# Altium PCB STM32最小系统.PcbDoc (part 1 of 4)
Units mil, origin at the board's own origin, x right, y up, seen from the top; angles counter-clockwise.
Board outline 25145 x 22655 mil, 2 copper layers (Top Layer, Bottom Layer); 72 components, 145 nets, 556 pads, 0 vias.
Unrouted connection lines stored in the file: 8.
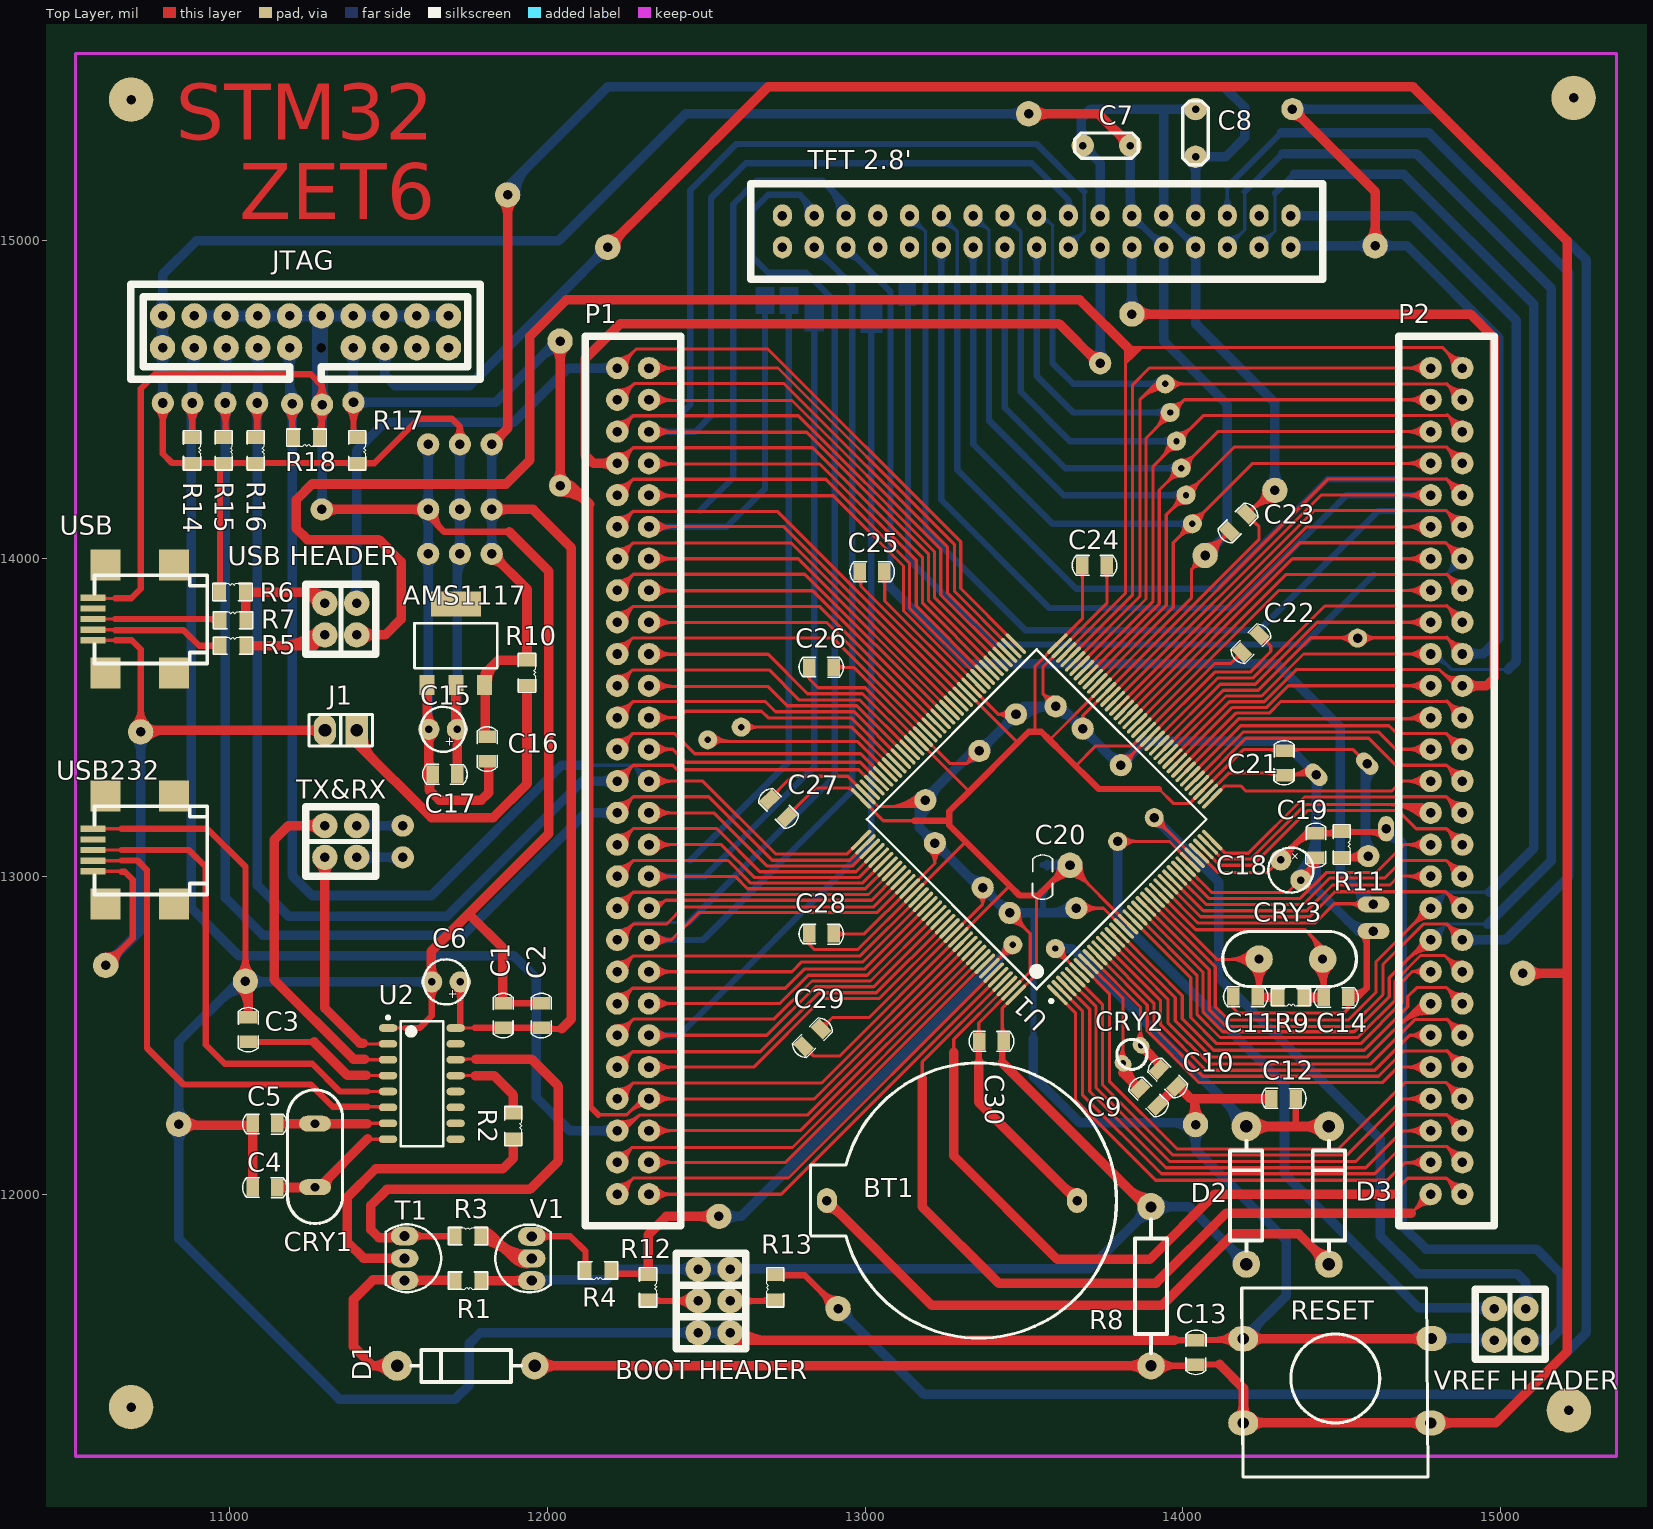
[diagram p0: Top Layer view]
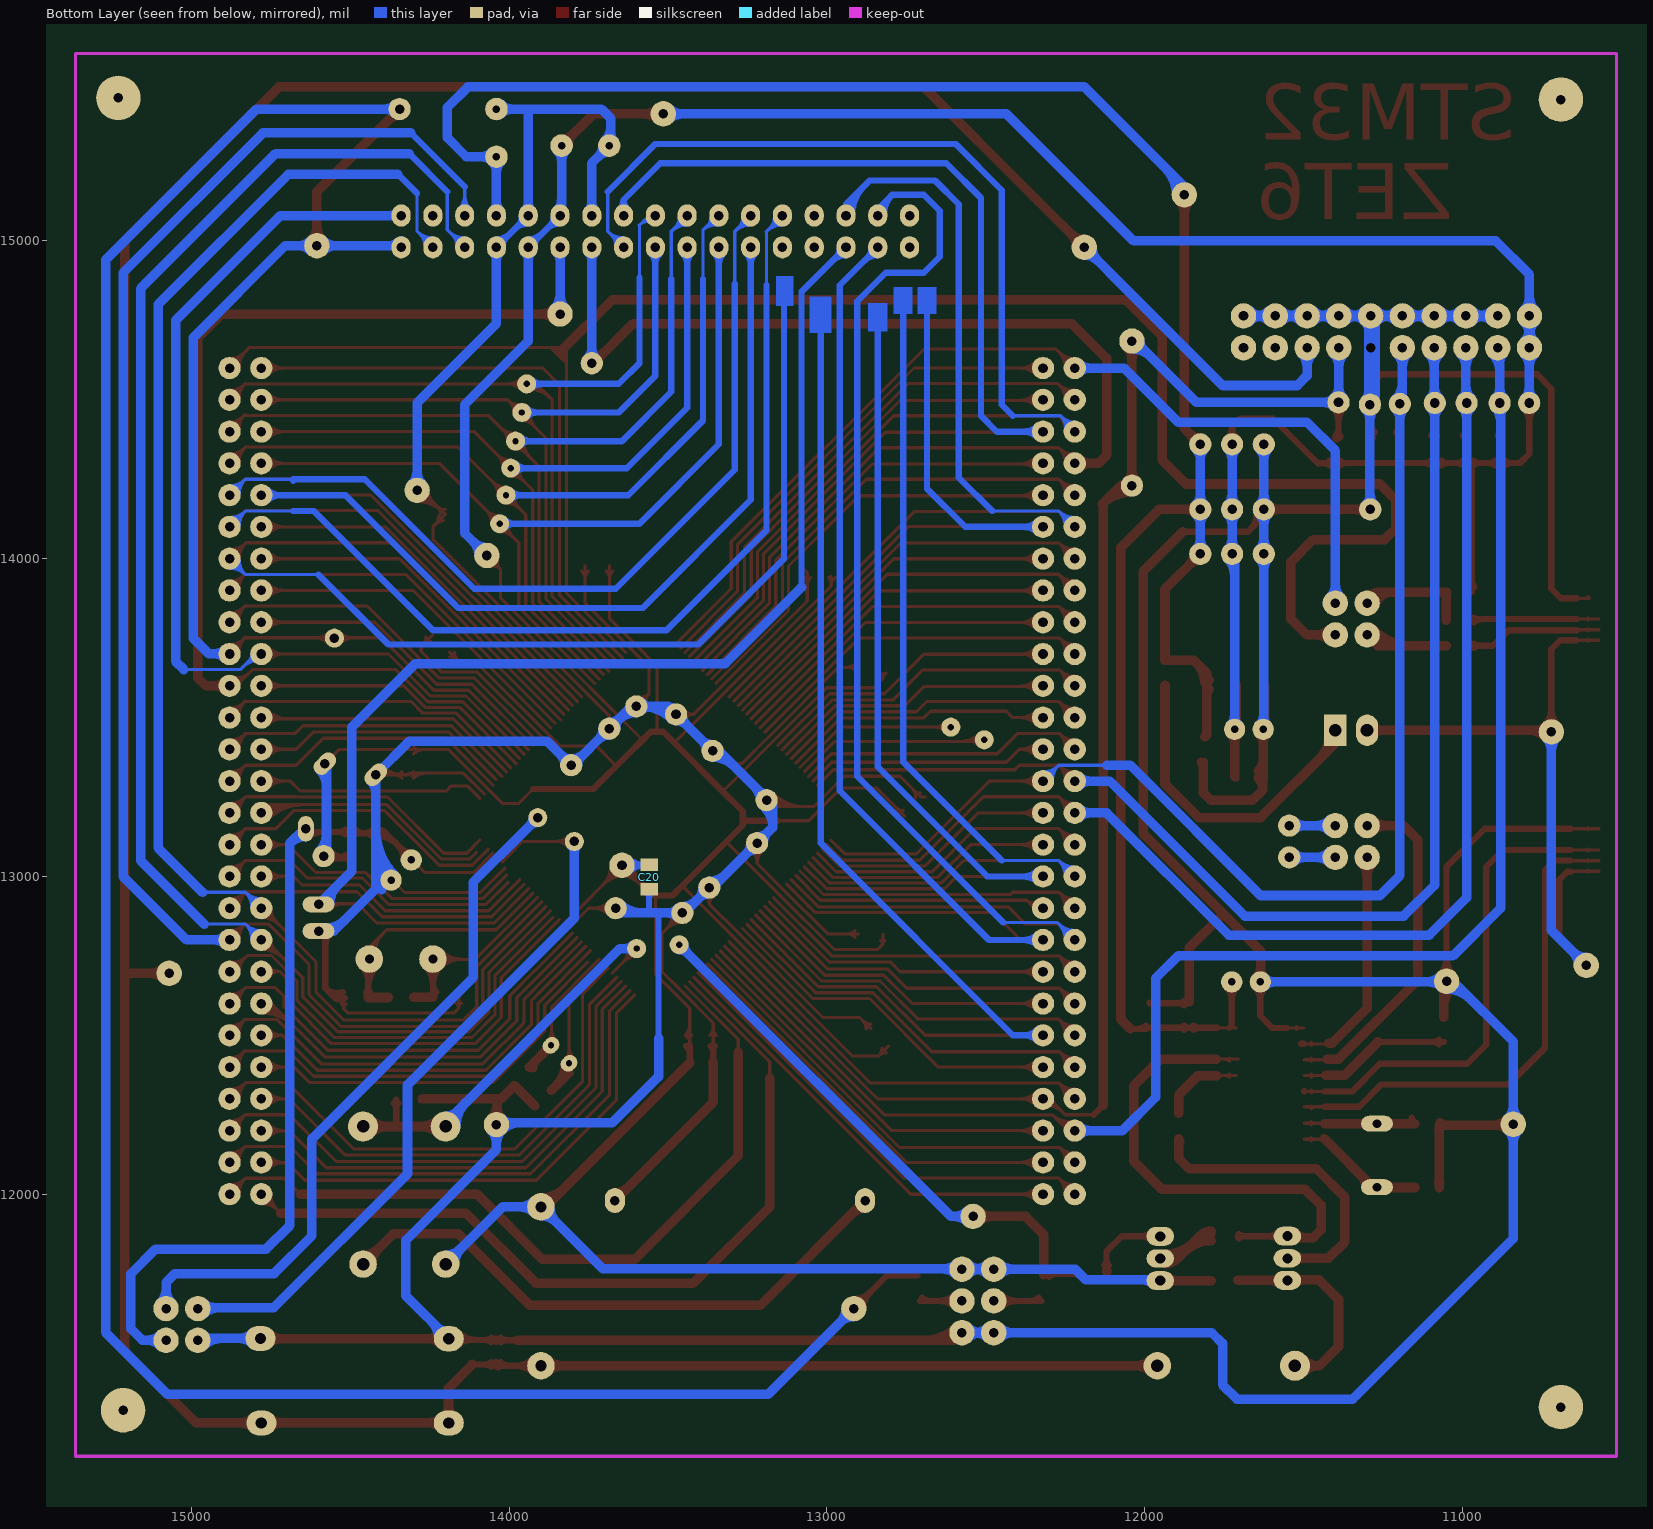
[diagram p1: Bottom Layer view, seen from below]

## Layer stack, top to bottom
Top Layer: signal copper 1.4
Dielectric: dielectric 12.6, FR-4, Dk 4.8
Bottom Layer: signal copper 1.4

## Board outline
1970,920 1925,965 1925,23485 26985,23485 27070,23400 27070,830 2010,830

## Design rules (kind name [scope] priority, off if disabled: settings)
Clearance [All] p1 off: gap=10
ComponentClearance [All] p1 off: gap=10 collisioncheckmode=3 verticalgap=10 showdistances=FALSE
HoleSize [All] p1 off: absolutevalues=TRUE maxlimit=100 minlimit=1 maxpercent=80.000 minpercent=20.000
HoleToHoleClearance [All] p1 off: gap=10 allowstackedmicrovias=TRUE
LayerPairs [All] p1 off: enforce=TRUE
MinimumSolderMaskSliver [All] p1 off: minsoldermaskwidth=10
NetAntennae [All] p1 off: netantennaetolerance=0
PolygonConnect [All] p1: connectstyle=Relief reliefconductorwidth=10 reliefentries=4 polygonreliefangle="90 Angle"
RoutingVias [All] p1: holewidth=28 width=50 viastyle="Through Hole" minholewidth=28 minwidth=50 maxholewidth=28 maxwidth=50
SilkToSilkClearance [All] p1 off: silktosilkclearance=10
SilkscreenOverComponentPads [All] p1 off: minsilkscreentomaskgap=10
SolderMaskExpansion [All] p1: expansion=4
Width [All] p1: maxlimit=100 minlimit=5 preferedwidth=10
20 further rules are at their usual default settings.

## Components (designator, comment, footprint, x,y, rotation, side; value= is the part's Value field where it differs from the comment)
AMS1117 "3.3V" SOT-223 11712,13603 r0 top
"BOOT HEADER" "HEADER 3X2" 3X2DIP 12475,11764 r270 top
BT1 "BATTERY" POWER1 12880,11980 r0 top
C1 "104" C0805#1 11860,12600 r270 top
C2 "10pF" C0805#1 11980,12600 r270 top
C3 "104" C0805#1 11060,12480 r90 top
C4 "22" C0805#1 11149,12022 r180 top
C5 "22" C0805#1 11149,12222 r180 top
C6 "10uF" CAO1 11681,12668 r180 top
C7 "104" CAP1 13760,15300 r0 top
C8 "104" CAP1 14040,15340 r270 top
C9 "10" C0805#1 13920,12280 r135 top
C10 "10" C0805#1 13980,12340 r135 top
C11 "22" C0805#1 14160,12620 r0 top
C12 "104" C0805#1 14280,12300 r0 top
C13 "104" C0805#1 14040,11540 r270 top
C14 "22" C0805#1 14520,12620 r180 top
C15 "220uF" CAO1 11672,13463 r180 top
C16 "104" C0805#1 11812,13363 r90 top
C17 "104" C0805#1 11640,13320 r0 top
C18 "10uF" CAO1 14340,13020 r315 top
C19 "104" C0805#1 14420,13060 r90 top
C20 "104" C0805#2 13560,12960 r90 top
C21 "104" C0805#1 14320,13320 r90 top
C22 "104" C0805#1 14240,13760 r225 top
C23 "104" C0805#1 14200,14140 r225 top
C24 "104" C0805#1 13760,13980 r180 top
C25 "104" C0805#1 13060,13960 r180 top
C26 "104" C0805#1 12900,13660 r180 top
C27 "104" C0805#1 12700,13240 r315 top
C28 "104" C0805#1 12900,12820 r180 top
C29 "104" C0805#1 12860,12520 r225 top
C30 "104" C0805#1 13360,12480 r0 top
CRY1 "12M" JZ1#1 11269,12122 r90 top
CRY2 "32.768k" JZ_O1 13840,12440 r45 top
CRY3 "8M" JZ1#2 14340,12740 r0 top
D1 "1N4148" DIODE0.4 11960,11460 r180 top
D2 "1N4148" DIODE0.4 14200,11780 r90 top
D3 "1N4148" DIODE0.4 14460,11780 r90 top
J1 "CON2" sip-2 11400,13460 r180 top
JTAG "JTAG" 10x2DIP 10789,14664 r0 top
P1 "HEADER 27X2" 27X2DIP 12320,12000 r90 top
P2 "HEADER 27X2" 27X2DIP 14880,12000 r90 top
R1 "10k" R0805 11791,11728 r180 top
R2 "1k" R0805 11893,12254 r270 top
R3 "1k" R0805 11711,11868 r0 top
R4 "1k" R0805 12200,11760 r180 top
R5 "10R" R0805 10971,13726 r0 top
R6 "10R" R0805 10969,13895 r0 top
R7 "10R" R0805 10971,13806 r0 top
R8 "RES" AXIAL0.5 13900,11460 r90 top
R9 "1M" R0805 14380,12620 r180 top
R10 "RES" R0805 11936,13681 r270 top
R11 "RES" R0805 14500,13140 r270 top
R12 "RES" R0805 12317,11747 r270 top
R13 "RES" R0805 12717,11667 r90 top
R14 "10K" R0805 10882,14381 r270 top
R15 "10K" R0805 10982,14381 r270 top
R16 "10K" R0805 11082,14381 r270 top
R17 "10K" R0805 11402,14381 r270 top
R18 "10K" R0805 11282,14381 r180 top
RESET "SW-PB" "按键 15mm*15mm" 14780,11280 r180 top
T1 "8050" TO-92 11551,11868 r270 top
"TFT 2.8'" "HEADER 17X2" 17X2DIP 12740,14980 r0 top
TX&RX "HEADER 2X2" 2X2DIP 11400,13060 r90 top
U1 "STM32F103ZET6" LQFN144 13540,13180 r135 top
U2 "CH340G" SOP16 11605,12348 r0 top
USB "" USB_mini_B 10590,13810 r90 top
USB232 "" USB_mini_B 10590,13083 r90 top
"USB HEADER" "" 2X2DIP 11400,13860 r180 top
V1 "8550" TO-92 11951,11728 r90 top
"VREF HEADER" "HEADER 2X2" 2X2DIP 15080,11640 r180 top

## Footprints (in the part's own frame and the unit in brackets; to place one, negate y for a bottom-side part, rotate by r counter-clockwise, add the part's x,y. Pads: shape width x height; smd on the part's side, far side on the other; paste and mask are expansions set on the pad)
2X2DIP [mil]
  round 80 hole 30 unplated: 1(0,0) 2(0,100) 4(100,100)
  round 80 hole 30: 3(100,0)
  silkscreen extent -60,-60 160,160
3X2DIP [mil]
  round 80 hole 30 unplated: 1(0,0) 2(0,100) 3(100,0) 4(100,100) 5(200,0) 6(200,100)
  silkscreen extent -50,-70 250,150
10x2DIP [mil]
  round 80 hole 30: 1(0,0) 2(0,100) 3(100,0) 4(100,100) 5(200,0) 6(200,100) 7(300,0) 8(300,100) 9(400,0) 10(400,100) 12(500,100) 13(600,0) 14(600,100) 15(700,0) 16(700,100) 17(800,0) 18(800,100) 19(900,0) 20(900,100)
  round 0 hole 30: 11(500,0)
  silkscreen extent -100,-100 1000,200
17X2DIP [mil]
  oval 60x70 hole 30 unplated: 1(0,0) 2(0,100) 3(100,0) 4(100,100) 5(200,0) 6(200,100) 7(300,0) 8(300,100) 9(400,0) 10(400,100) 11(500,0) 12(500,100) 13(600,0) 14(600,100) 15(700,0) 16(700,100) 17(800,0) 18(800,100) 19(900,0) 20(900,100) 21(1000,0) 22(1000,100) 23(1100,0) 24(1100,100) 25(1200,0) 26(1200,100) 27(1300,0) 28(1300,100) 29(1400,0) 30(1400,100) 31(1500,0) 32(1500,100) 33(1600,0) 34(1600,100)
  silkscreen extent -100,-100 1700,200
27X2DIP [mil]
  round 70 hole 30 unplated: 1(0,0) 2(0,100) 3(100,0) 4(100,100) 5(200,0) 6(200,100) 7(300,0) 8(300,100) 9(400,0) 10(400,100) 11(500,0) 12(500,100) 13(600,0) 14(600,100) 15(700,0) 16(700,100) 17(800,0) 18(800,100) 19(900,0) 20(900,100) 21(1000,0) 22(1000,100) 23(1100,0) 24(1100,100) 25(1200,0) 26(1200,100) 27(1300,0) 28(1300,100) 29(1400,0) 30(1400,100) 31(1500,0) 32(1500,100) 33(1600,0) 34(1600,100) 35(1700,0) 36(1700,100) 37(1800,0) 38(1800,100) 39(1900,0) 40(1900,100) 41(2000,0) 42(2000,100) 43(2100,0) 44(2100,100) 45(2200,0) 46(2200,100) 47(2300,0) 48(2300,100) 49(2400,0) 50(2400,100) 51(2500,0) 52(2500,100) 53(2600,0) 54(2600,100)
  silkscreen extent -100,-100 2700,200
AXIAL0.5 [mm]
  round 2.2 hole 0.9: 1(0,0) 2(12.7,0)
  silkscreen extent 1.02,-1.27 11.68,1.27
C0805#1 [mm]
  rect 1x1.4 smd: 1(-0.025,0.025) 2(1.933,0.025)
  silkscreen extent -0.81,-0.76 2.74,0.84
C0805#2 [mm]
  rect 1x1.4 smd far side: 1(-0.025,0.025) 2(1.933,0.025)
  silkscreen extent -0.81,-0.76 2.74,0.84
CAO1 [mm]
  round 1.7 hole 0.6: 1(-1.143,0) 2(1.143,0)
  silkscreen extent -1.8,-1.8 1.8,1.8
CAP1 [mm]
  round 1.8 hole 0.6: 1(-1.905,0) 2(1.905,0)
  silkscreen extent -2.54,-1.02 2.54,1.02
DIODE0.4 [mm]
  round 2.2 hole 1: 1(0,0)
  round 2.4 hole 1 unplated: 2(10.998,0)
  silkscreen extent 1.09,-1.27 9.86,1.3
JZ1#1 [mm]
  oval 1.27x2.54 hole 0.7: 1(-2.54,0) 2(2.54,0)
  silkscreen extent -5.45,-2.2 5.25,2.2
JZ1#2 [mm]
  round 2.2 hole 0.7: 1(-2.54,0) 2(2.54,0)
  silkscreen extent -5.45,-2.2 5.25,2.2
JZ_O1 [mm]
  oval 1.2x1.4 hole 0.5: 1(-1.016,0) 2(1.016,0)
  silkscreen extent -1.2,-1.2 1.2,1.2
LQFN144 [mm] "TSQFP, 144-Leads, Body 23.8x23.8mm (max), Pitch 0.50mm, IPC Medium Density"
  oval 2.2x0.3 smd: 1(-11.1,8.75) 2(-11.1,8.25) 3(-11.1,7.75) 4(-11.1,7.25) 5(-11.1,6.75) 6(-11.1,6.25) 7(-11.1,5.75) 8(-11.1,5.25) 9(-11.1,4.75) 10(-11.1,4.25) 11(-11.1,3.75) 12(-11.1,3.25) 13(-11.1,2.75) 14(-11.1,2.25) 15(-11.1,1.75) 16(-11.1,1.25) 17(-11.1,0.75) 18(-11.1,0.25) 19(-11.1,-0.25) 20(-11.1,-0.75) 21(-11.1,-1.25) 22(-11.1,-1.75) 23(-11.1,-2.25) 24(-11.1,-2.75) 25(-11.1,-3.25) 26(-11.1,-3.75) 27(-11.1,-4.25) 28(-11.1,-4.75) 29(-11.1,-5.25) 30(-11.1,-5.75) 31(-11.1,-6.25) 32(-11.1,-6.75) 33(-11.1,-7.25) 34(-11.1,-7.75) 35(-11.1,-8.25) 36(-11.1,-8.75) 73(11.1,-8.75) 74(11.1,-8.25) 75(11.1,-7.75) 76(11.1,-7.25) 77(11.1,-6.75) 78(11.1,-6.25) 79(11.1,-5.75) 80(11.1,-5.25) 81(11.1,-4.75) 82(11.1,-4.25) 83(11.1,-3.75) 84(11.1,-3.25) 85(11.1,-2.75) 86(11.1,-2.25) 87(11.1,-1.75) 88(11.1,-1.25) 89(11.1,-0.75) 90(11.1,-0.25) 91(11.1,0.25) 92(11.1,0.75) 93(11.1,1.25) 94(11.1,1.75) 95(11.1,2.25) 96(11.1,2.75) 97(11.1,3.25) 98(11.1,3.75) 99(11.1,4.25) 100(11.1,4.75) 101(11.1,5.25) 102(11.1,5.75) 103(11.1,6.25) 104(11.1,6.75) 105(11.1,7.25) 106(11.1,7.75) 107(11.1,8.25) 108(11.1,8.75)
  oval 0.3x2.2 smd: 37(-8.75,-11.1) 38(-8.25,-11.1) 39(-7.75,-11.1) 40(-7.25,-11.1) 41(-6.75,-11.1) 42(-6.25,-11.1) 43(-5.75,-11.1) 44(-5.25,-11.1) 45(-4.75,-11.1) 46(-4.25,-11.1) 47(-3.75,-11.1) 48(-3.25,-11.1) 49(-2.75,-11.1) 50(-2.25,-11.1) 51(-1.75,-11.1) 52(-1.25,-11.1) 53(-0.75,-11.1) 54(-0.25,-11.1) 55(0.25,-11.1) 56(0.75,-11.1) 57(1.25,-11.1) 58(1.75,-11.1) 59(2.25,-11.1) 60(2.75,-11.1) 61(3.25,-11.1) 62(3.75,-11.1) 63(4.25,-11.1) 64(4.75,-11.1) 65(5.25,-11.1) 66(5.75,-11.1) 67(6.25,-11.1) 68(6.75,-11.1) 69(7.25,-11.1) 70(7.75,-11.1) 71(8.25,-11.1) 72(8.75,-11.1) 109(8.75,11.1) 110(8.25,11.1) 111(7.75,11.1) 112(7.25,11.1) 113(6.75,11.1) 114(6.25,11.1) 115(5.75,11.1) 116(5.25,11.1) 117(4.75,11.1) 118(4.25,11.1) 119(3.75,11.1) 120(3.25,11.1) 121(2.75,11.1) 122(2.25,11.1) 123(1.75,11.1) 124(1.25,11.1) 125(0.75,11.1) 126(0.25,11.1) 127(-0.25,11.1) 128(-0.75,11.1) 129(-1.25,11.1) 130(-1.75,11.1) 131(-2.25,11.1) 132(-2.75,11.1) 133(-3.25,11.1) 134(-3.75,11.1) 135(-4.25,11.1) 136(-4.75,11.1) 137(-5.25,11.1) 138(-5.75,11.1) 139(-6.25,11.1) 140(-6.75,11.1) 141(-7.25,11.1) 142(-7.75,11.1) 143(-8.25,11.1) 144(-8.75,11.1)
  silkscreen extent -11.22,-9.6 9.6,9.6, body extent -10,-10 10,10, height 1.6
POWER1 [mm]
  oval 1.6x2 hole 0.762: 1(0,0) 2(20,0)
  silkscreen extent -1.32,-11 23.15,11
R0805 [mm]
  rect 1x1.5 smd: 1(0,0) 2(2.032,0)
  silkscreen extent -0.56,-0.69 2.59,0.69
sip-2 [mil]
  rect 70x100 hole 40: 1(0,0)
  oval 70x98.42 hole 40: 2(100,0)
  silkscreen extent -50,-50 150,50
SOP16 [mil] "TSOP, 16-Leads, Body 10.2x3.6mm (max), Pitch 1.27mm, IPC Medium Density"
  oval 58x24 smd: 1(-106.3,175) 2(-106.3,125) 3(-106.3,75) 4(-106.3,25) 5(-106.3,-25) 6(-106.3,-75) 7(-106.3,-125) 8(-106.3,-175) 9(106.3,-175) 10(106.3,-125) 11(106.3,-75) 12(106.3,-25) 13(106.3,25) 14(106.3,75) 15(106.3,125) 16(106.3,175)
  silkscreen extent -111,-197 67,213, body extent -71,-201 71,201, height 39
SOT-223 [mm]
  rect 1.2x1.6 smd: 1(-2.3,0) 2(0,0) 3(2.3,0)
  rect 4x2 smd: 4(0,6.477)
  silkscreen extent -3.3,1.32 3.3,4.93
TO-92 [mm]
  oval 1.5x2.2 hole 0.8: 1(0,0)
  oval 1.45x2.2 hole 0.8: 2(1.77,0)
  oval 1.52x2.2 hole 0.8: 3(3.54,0)
  silkscreen extent -0.94,-1.52 4.48,2.91
USB_mini_B [mm] "mini USB ĸͷ"
  rect 2.5x2.4 smd: 0(-4.318,-0.508) 0(-4.318,-5.969) 0(4.318,-0.508) 0(4.318,-5.969)
  rect 0.5x2 smd: 1(-1.7,0.508) 2(-0.85,0.508) 3(0,0.508) 4(0.85,0.508) 5(1.7,0.508)
  silkscreen extent -3.56,-8.64 3.51,0.38
"按键 15mm*15mm" [mm]
  oval 2.4x2 hole 0.9: 1(0,0) 1(14.986,0) 2(-0.076,-6.759) 2(14.986,-6.731)
  silkscreen extent 0.21,-10.79 15.1,4.32

## Part data
AMS1117: library part LD1117
BT1: "Battery"
C1 C2 C3 C4 C5 C7 C8 C9 C10 C11 C12 C13 C14 C16 C17 C19 C20 C21 C22 C23 C24 C25 C26 C27 C28 C29 C30: library part Cap, "Capacitor"
C6 C15 C18: library part CAP3
CRY1 CRY2 CRY3: library part CRY1, "6.0000 8.000  11.0592  12.0000 24.000"
D1 D2 D3: library part DIODE
J1: "Connector"
JTAG: library part "HEADER 10X2"
R1 R2 R3 R4 R5 R6 R7 R9 R14 R15 R16 R17 R18: library part RES
USB USB232: library part USB_mini_B
"USB HEADER": library part "HEADER 2X2"

## Free pads (board coordinates)
  round 60 hole 20: 0(13465,12785) 2(13599,12773) 2(13945,14550) 3(13960,14460) 4(13980,14370) 5(13995,14285) 6(12610,13470) 6(14010,14200) 7(14030,14110) 8(12505,13430)
  round 60 hole 30: 0(13795,13110) 1(13910,13185) 5(14550,13750)
  oval 80x50 hole 30 rot 135: 0(14580,13355) 5(14420,13320)
  round 80 hole 30: 1(12540,11930) 4(12915,11640) 6(11050,12670) 6(14040,12219) 7(10720,13455) 8(10610,12720) 8(10840,12220) 8(14070,14010) 9(13515,15400) 9(14290,14215) 10(12190,14980) 10(13840,14770) 11(11875,15145) 11(15070,12695) 25(13645,13035) 26(14605,14985) 27(12040,14685)
  round 70 hole 30: 1(14584,13064) 2(10790,14490) 3(12040,14230) 4(11545,13160) 5(11545,13060) 8(10883,14490) 9(10987,14490) 9(11725,14015) 9(11725,14155) 9(11725,14360) 10(11087,14490) 10(11625,14015) 10(11625,14155) 10(11625,14360) 11(11390,14492) 11(11825,14015) 11(11825,14155) 11(11825,14360) 12(11197,14487) 12(13360,13395) 12(13740,14615) 13(11290,14155) 13(11291,14485) 13(13475,13510) 14(13600,13535) 15(13685,13465) 16(13805,13350) 19(13665,12900) 20(13455,12885) 21(13370,12965) 22(13220,13105) 23(13190,13240) 24(14345,15415)
  oval 50x80 hole 30: 2(14640,13150)
  oval 100x50 hole 30: 3(14600,12912) 4(14600,12828)
  round 140 hole 30: 28(10690,11330) 28(10690,15445) 28(15215,11320) 28(15230,15450)

## Nets (pads, with @x,y where several pads share a name; then routed paths per layer and width w, separated by ;. In a path a pad name is that pad's centre, name@x,y a point inside that pad or via, vN(x,y) a via of type N, cw(c..) or ccw(c..) an arc to the next point about the centre after c; other vN are vias at no path point)
BOOT0: pad.0@13465,12785 pad.1@12540,11930 R4.1 R12.1 U1.138 | length 2814.7
  Top Layer w10: U1.138@13391.06,12710.92 pad.0@13475.07,12794.93 ; 13422.22,12742.07 ccw(c13379.29,12785) 13440,12785 cw(c13379.29,12785) 13422.22,12742.07 ; 13422.57,12742.43 cw(c13465,12700) 13465,12760 ccw(c13465,12700) 13422.57,12742.43 ; 13439.29,12759.14 ccw(c13413.43,12785) 13450,12785 cw(c13413.43,12785) 13439.29,12759.14 ; 13439.64,12759.5 cw(c13465,12734.14) 13465,12770 ccw(c13465,12734.14) 13439.64,12759.5
  Top Layer w20: R4.1@12205,11750 R12.1@12310,11750 ; R4.1@12206.85,11743.31 cw(c12223,11727.16) 12223,11750 ccw(c12223,11727.16) R4.1@12206.85,11743.31 ; R4.1@12206.85,11757.01 ccw(c12223.76,11773.92) 12223.76,11750 cw(c12223.76,11773.92) R4.1@12206.85,11757.01 ; 12276.53,11750 cw(c12276.53,11716.38) 12300.31,11740.15 ccw(c12276.53,11716.38) 12276.53,11750
  Top Layer w30: R12.1@12317,11747 12317,11872 12375,11930 pad.1@12540,11930 ; 12479.64,11930 cw(c12479.64,11869.64) 12522.32,11912.32 ccw(c12479.64,11869.64) 12479.64,11930 ; 12479.64,11930 ccw(c12479.64,11990.36) 12522.32,11947.68 cw(c12479.64,11990.36) 12479.64,11930
  Bottom Layer w30: pad.1@12540,11930 12610,11930 pad.0@13465,12785 ; pad.0@13470,12790 pad.0@13465,12785 ; pad.0@13475,12785 pad.0@13465,12785 ; 12600.36,11930 cw(c12600.36,11990.36) 12557.68,11947.68 ccw(c12600.36,11990.36) 12600.36,11930 ; 12600.36,11930 ccw(c12600.36,11869.64) 12557.68,11912.32 cw(c12600.36,11869.64) 12600.36,11930 ; 13439.39,12759.39 cw(c13465,12733.79) 13465,12770 ccw(c13465,12733.79) 13439.39,12759.39 ; 13439.39,12759.39 ccw(c13413.79,12785) 13450,12785 cw(c13413.79,12785) 13439.39,12759.39
BOOT1: "TFT 2.8'.33" P2.35 pad.4@12915,11640 pad.5@14550,13750 pad.24 pad.26 R13.2 U1.48 | length 13393.3
  Top Layer w10: U1.48@13939.49,13398.53 14126.95,13586 14238,13586 14403,13751 14832,13751 P2.35@14882,13701 ; P2.35@14877,13701 P2.35@14882,13701 ; P2.35@14901,13700 14883,13700 P2.35@14882,13701 ; 14487.23,13751 cw(c14487.23,13687.23) 14532.32,13732.32 ccw(c14487.23,13687.23) 14487.23,13751 ; 14492.06,13751 ccw(c14492.06,13807.94) 14532.32,13767.68 cw(c14492.06,13807.94) 14492.06,13751 ; 14511.37,13751 cw(c14511.37,13711.37) 14539.39,13739.39 ccw(c14511.37,13711.37) 14511.37,13751 ; 14516.2,13751 ccw(c14516.2,13783.8) 14539.39,13760.61 cw(c14516.2,13783.8) 14516.2,13751 ; pad.5@14560.61,13739.39 cw(c14588.63,13711.37) 14588.63,13751 ccw(c14588.63,13711.37) pad.5@14560.61,13739.39 ; pad.5@14560.61,13760.61 ccw(c14583.8,13783.8) 14583.8,13751 cw(c14583.8,13783.8) pad.5@14560.61,13760.61 ; pad.5@14567.68,13732.32 cw(c14612.77,13687.23) 14612.77,13751 ccw(c14612.77,13687.23) pad.5@14567.68,13732.32 ; pad.5@14567.68,13767.68 ccw(c14607.94,13807.94) 14607.94,13751 cw(c14607.94,13807.94) pad.5@14567.68,13767.68 ; 14830.5,13752.5 cw(c14783.11,13705.1) 14850.04,13701.58 ccw(c14783.11,13705.1) 14830.5,13752.5 ; 14833.91,13749.09 ccw(c14880,13795.18) 14880,13730 cw(c14880,13795.18) 14833.91,13749.09 ; 14846.38,13736.62 cw(c14813.27,13703.51) 14860.03,13701.05 ccw(c14813.27,13703.51) 14846.38,13736.62 ; 14850.98,13732.02 ccw(c14880,13761.04) 14880,13720 cw(c14880,13761.04) 14850.98,13732.02
  Top Layer w20: R13.2@12717,11747 12715,11745 12810,11745 pad.4@12915,11640 ; 12863.79,11691.21 cw(c12812.57,11640) 12885,11640 ccw(c12812.57,11640) 12863.79,11691.21 ; 12863.79,11691.21 ccw(c12915,11742.43) 12915,11670 cw(c12915,11742.43) 12863.79,11691.21 ; R13.2@12733.69,11753.85 ccw(c12755.05,11775.21) 12755.05,11745 cw(c12755.05,11775.21) R13.2@12733.69,11753.85
  Top Layer w30: pad.24@14345,15415 14605,15155 pad.26@14605,14985 pad.26@14605,14980 ; 14379.14,15380.86 cw(c14413.28,15415) 14365,15415 ccw(c14413.28,15415) 14379.14,15380.86 ; 14379.14,15380.86 ccw(c14345,15346.72) 14345,15395 cw(c14345,15346.72) 14379.14,15380.86 ; 14605,15045.36 cw(c14544.64,15045.36) 14587.32,15002.68 ccw(c14544.64,15045.36) 14605,15045.36 ; 14605,15045.36 ccw(c14665.36,15045.36) 14622.68,15002.68 cw(c14665.36,15045.36) 14605,15045.36
  Bottom Layer w30: pad.4@12915,11640 13185,11370 15075,11370 15270,11565 15270,14940 14795,15415 pad.24@14345,15415 ; 14340,15000 14355,14985 14705,14985 14995,14695 14995,13750 14946,13701 P2.35@14882,13701 ; 12957.68,11597.32 cw(c13000.36,11640) 12940,11640 ccw(c13000.36,11640) 12957.68,11597.32 ; 12957.68,11597.32 ccw(c12915,11554.64) 12915,11615 cw(c12915,11554.64) 12957.68,11597.32 ; 14376.21,14985 cw(c14376.21,15021.21) 14350.61,14995.61 ccw(c14376.21,15021.21) 14376.21,14985 ; 14376.21,14985 ccw(c14376.21,14948.79) 14350.61,14974.39 cw(c14376.21,14948.79) 14376.21,14985 ; 14393.28,15415 cw(c14393.28,15463.28) 14359.14,15429.14 ccw(c14393.28,15463.28) 14393.28,15415 ; 14393.28,15415 ccw(c14393.28,15366.72) 14359.14,15400.86 cw(c14393.28,15366.72) 14393.28,15415 ; 14544.64,14985 cw(c14544.64,14924.64) 14587.32,14967.32 ccw(c14544.64,14924.64) 14544.64,14985 ; 14544.64,14985 ccw(c14544.64,15045.36) 14587.32,15002.68 cw(c14544.64,15045.36) 14544.64,14985 ; 14665.36,14985 cw(c14665.36,15045.36) 14622.68,15002.68 ccw(c14665.36,15045.36) 14665.36,14985 ; 14665.36,14985 ccw(c14665.36,14924.64) 14622.68,14967.32 cw(c14665.36,14924.64) 14665.36,14985 ; P2.35@14894.14,13685.86 cw(c14930.7,13649.3) 14930.7,13701 ccw(c14930.7,13649.3) P2.35@14894.14,13685.86 ; P2.35@14894.14,13714.14 ccw(c14925.87,13745.87) 14925.87,13701 cw(c14925.87,13745.87) P2.35@14894.14,13714.14